# Allegro board SG2042_EVB_V1_1.brd (continued)
## Nets (continued)
N18761269: R1226.1 U1.G39
N18761282: R1227.1 U1.H35
N18761295: R1228.1 U1.E39
N18761308: R1229.1 U1.D38
N18761323: R1230.1 U1.E37
N18761336: R1231.1 U1.E40
N18761349: R1232.1 U1.C38
N18761362: R1233.1 U1.F37
N18761375: R1234.1 U1.H36
N18761388: R1235.1 U1.B39
N18761531: R1222.1 U1.H37
N18761567: R1223.1 U1.D39
N18866029: R2179.1 U812.9
N18866551: R2180.1 U813.9
N18867075: R2181.1 U10.9
N18867562: R2182.1 U811.9
N18869965: R2186.1 U28.6
N19544076: R2199.1 U2004.6
N19544184: R2200.1 U2005.6
N19598087: R2207.1 U807.15
N19598088: R2205.1 U807.17
N19598089: R2203.1 U807.20
N19598092: R2206.1 U807.16
N19598093: R2204.1 U807.18
N19598211: R2211.1 U806.20
N19598221: R2212.1 U806.18
N19598231: R2213.1 U806.17
N19598241: R2214.1 U806.16
N19598251: R2215.1 U806.15
N19598261: R2216.1 U806.14
N19598271: R2217.1 U806.13
N19598281: R2218.1 U806.12
N19598691: R2219.1 U14.20
N19598701: R2220.1 U14.18
N19598711: R2221.1 U14.17
N19598721: R2222.1 U14.16
N19598731: R2223.1 U14.15
N19598741: R2224.1 U14.14
N19598751: R2225.1 U14.13
N19598761: R2226.1 U14.12
N19598883: R2227.1 U12.20
N19598893: R2228.1 U12.18
N19598903: R2229.1 U12.17
N19598913: R2230.1 U12.16
N19598923: R2231.1 U12.15
N19598933: R2232.1 U12.14
N19598943: R2233.1 U12.13
N19598953: R2234.1 U12.12
N19656677: R2106.1 U2009.72
N19657847: R2238.1 U2009.66
N19657896: R2249.1 U2009.67
N19658008: R2060.2 U2009.1
N19658025: R2058.2 U2009.2
N19658042: R2059.2 U2009.3
N19658046: R2056.2 U2009.4
N19658132: R2068.1 U2009.65
N19658148: R2069.1 U2009.64
N19658164: R2070.1 U2009.63
N19658180: R2071.1 U2009.62
N19658288: R2073.1 U2009.61
N19658426: R2091.1 U2009.93
N19658442: R2092.1 U2009.92
N19659174: R2074.1 U2009.60
N19659190: R2075.1 U2009.59
N19659206: R2054.2 U2009.58
N19659257: R2097_NC.2 U2009.55
N19659496: R2250.1 U2009.76
N19659550: R2104.2 U2009.5
N19659625: R2076.1 U2009.71
N19659641: R2077.1 U2009.70
N19659658: R2057.2 U2009.69
N19659674: R2072.1 U2009.68
N19659756: R2235.2 U2009.54
N19659773: R2236.2 U2009.53
N19659891: R2078.1 U2009.52
N19659907: R2079.1 U2009.51
N19659975: R2251.1 U2009.77
N19660152: R2252.1 U2009.87
N19660154: R2253.1 U2009.86
N19684132: Q2003.3 R578.2 R581.1
N19684174: Q2002.1 R578.1
N19684220: Q2003.1 R2272.1
N19738408: R2299.2 U1.B21
N19740223: C3265.1 F408.2 FB2016.1
N19746790: C586.2 R173.2 U11.2
N19746810: C586.1 R189.2 U11.3
N19747341: R2304.2 U2009.48
N19747342: R2303.2 U2009.47
N19756638: R2323.1 U2009.85
N19756640: R2324.1 U2009.84
N19756678: R2325.1 U2009.83
N19756934: R2331.2 U2009.38
N19756936: R2332.2 U2009.39
N19756974: R2333.2 U2009.40
N19756976: R2334.2 U2009.41
N19757014: R2335.2 U2009.42
N19757016: R2336.2 U2009.43
N19757054: R2337.2 U2009.44
N19757056: R2338.2 U2009.45
N19813579: R2366.2 U811.1
N19813634: R2368.2 U10.1
N19911399: FB2017.2 FB2018.2 R2254.2 R2255.2 U2010.19(VCCB)
N19927520: R1214.2 U1.A21
N19927533: R1215.2 U1.B23
N19927546: R1216.2 U1.D24
N19927559: R1217.2 U1.A24
N19927572: R1218.2 U1.B24
N19927577: R1219.2 U1.B22
N20020535: R2305.2 U2009.46
N20196811: J1104.A1 R1183.1
N20196869: C1743.1 C1744.1 C1745.1 C1746.1 FB1110.2 J1104.A9 J1104.A10 J1104.B8
N20197901: FB1111.1 J1104.B10
N20206228: J2018.A1 R2394.1
N20206252: C3294.1 C3295.1 C3296.1 C3297.1 FB2019.2 J2018.A9 J2018.A10 J2018.B8
N20206630: FB2020.1 J2018.B10
N20209067: J2019.A1 R2398.1
N20209091: C3298.1 C3299.1 C3300.1 C3301.1 FB2021.2 J2019.A9 J2019.A10 J2019.B8
N20209469: FB2022.1 J2019.B10
N20251326: R274.1 U17.9
N20251336: R275.1 U17.10
N20340782: R2399.1 U2011.16
N20340795: R2209.1 U2011.15
N20340808: R2306.1 U2011.14
N20340896: R2426.1 U2011.20
N20340906: R2427.1 U2011.18
N20340916: R2428.1 U2011.17
N20344047: Q2005.3 R2430.1 R2432.2
N20344085: Q2004.1 R2432.1
N20344111: Q2005.1 R2433.1
N20380019: C3317.2 R2436.2 U2012.2
N20380039: C3317.1 R2437.2 U2012.3
N20380722: R2436.1 R2437.1
N20382229: R2439.1 U2012.8
N20382232: R2438.1 U2012.7
N20423655: Q403.1 R2441.2
N20449661: Q2009.1 R2443.2
N20451057: R2445.1 U2009.80
N20451254: Q2008.1 R2446.2
N20453905: LED500.C(CATHODE) Q2010.3
N20453966: Q2010.1 R2080.2
N20514721: R2449.2 R2450.1 U53.45
N20776883: C1284.1 R2460.2
N20778101: R2454.1 U54.32
N20778124: R2455.1 U55.32
N20778147: R2456.1 U34.32
N20778170: R2457.1 U35.32
N20778193: R2458.1 U39.32
N20778220: R2459.1 U40.32
N20778262: R2460.1 U36.32
N20778285: R2461.1 U42.32
N20778308: R2462.1 U41.32
N20778331: R2463.1 U38.32
N20778354: R2464.1 U44.32
N20778377: R2465.1 U43.32
N20782835: R2470.1 U805.25
N20782838: R2471.1 U805.26
N20782903: R2472.1 U15.25
N20782906: R2473.1 U15.26
N20783823: R2474.2 U2011.7
N20953565: R2480.1 U2013.9
N20953590: R2481.2 U2013.1
N20953751: R2488.1 U2014.9
N20953776: R2489.2 U2014.1
N20957708: R2490.1 U2009.56
N172017850: R450.1 U47.5(VOSNS)
N172172761: R272.2 Y2.2
N178115841: D520.C(CATHODE) Q501.3
N178115910: Q501.1 R580.1
N178704724: R660.1 U56.5(VOSNS)
N185890460: LED500.A R576.1
N199113838: R2247.1 U2010.15
N199113839: R2389.1 U2010.16
N1714183128: R68.2 U7.13
N1991138310: R2386.1 U2010.20
N1991138316: R2248.1 U2010.14
N1991138317: R2388.1 U2010.17
N1991138318: R2387.1 U2010.18

Pads without a net: ATXPWR1 14 20; ID1 1; ID2 1; ID3 1; ID4 1; ID5 1; ID6 1; J1 144 205 227 230 235; J2 144 205 227 230 235; J3 144 205 227 230 235; J4 144 205 227 230 235; J7 1 2 19 20 21 22 23 24; J10 2 17 19; J11 2 17 19; J12 2 17 19; J22 4; J1103 4; J1104 A5 A6 A7 A8 A19 A32 A33 A50 B9 B30 B82; J2006 4; J2016 1 18 19 20 21 22 26 27; J2018 A5 A6 A7 A8 A19 A32 A33 A50 A52 A53 A56 A57 A60 A61 A64 A65 A68 A69 A72 A73 A76 A77 A80 A81 B9 B30 B50 B51 B54 B55 B58 B59 B62 B63 B66 B67 B70 B71 B74 B75 B78 B79 B81 B82; J2019 A5 A6 A7 A8 A19 A32 A33 A50 A52 A53 A56 A57 A60 A61 A64 A65 A68 A69 A72 A73 A76 A77 A80 A81 B9 B30 B50 B51 B54 B55 B58 B59 B62 B63 B66 B67 B70 B71 B74 B75 B78 B79 B81 B82; NOREF#11 1; NOREF#16 1; NOREF#19 1; NOREF#21 1; NOREF#23 1; NOREF#25 1; NOREF#26 1; NOREF#27 1; U2 A1 A2 A7 A8 A9 A10 A11 A12 A13 A14 B1 B3 B4 B5 B6 B7 B8 B9 B10 B11 B12 B13 B14 C1 C3 C5 C7 C8 C9 C10 C11 C12 C13 C14 D1 D2 D3 D4 D12 D13 D14 E1 E2 E3 E5 E8 E9 E10 E12 E13 E14 F1 F2 F3 F10 F12 F13 F14 G1 G2 G3 G10 G12 G13 G14 H1 H2 H3 H12 H13 H14 J1 J2 J3 J12 J13 J14 K1 K2 K3 K6 K7 K10 K12 K13 K14 L1 L2 L3 L12 L13 L14 M1 M2 M3 M7 M8 M9 M10 M11 M12 M13 M14 N1 N3 N6 N7 N8 N9 N10 N11 N12 N13 N14 P1 P2 P7 P8 P9 P10 P11 P12 P13 P14; U7 35; U11 4 6; U15 1 2 10 11 12 13 14 15 16 17 18 19 20 21 22 23 24 27 28; U17 14 21 22 36; U34 6 31 41; U35 6 31 41; U36 6 31 41; U37 2 3 19 36 37; U38 6 31 41; U39 6 31 41; U40 6 31 41; U41 6 31 41; U42 6 31 41; U43 6 31 41; U44 6 31 41; U53 2 3 4 5 6 7 8 9 10 11 19 28 29 30 31 32 33 34 35 36 37; U54 6 31 41; U55 6 31 41; U805 1 2 10 11 12 13 14 15 16 17 18 19 20 21 22 23 24 27 28; U807 8 9 12 13; U2001 7; U2002 1 2 10 11 12 13 14 15 16 17 18 19 20 21 22 23 24 27 28; U2009 9 12 13 73 78 79 81 82 88 89 90 91 95 96 97 98; U2010 8 9 12 13; U2011 8 9 12 13; U2012 4 6

## Via types
v1: diameter 0.406, hole 0.203, TOP to BOTTOM, 11275 vias

## Routing (per net, layer and track width the routed paths; a pad name or vN(x,y) marks a point on that pad's centre or on a via; arc(x,y) is an arc through that point)
3.3V_AUX: length 221.7
  TOP w0.254: v1(82.59,217.12) 82.59,189.12 94.5,177.22 95.58,177.22 105.53,167.26 C3156.2 111.51,166.8 111.76,166.55 113.71,166.55 113.96,166.8 U815.3
  TOP w0.381: U50.3 v1(219.62,50.55) ; U62.3 224.22,100.32 C1572.2 224.82,100.33 v1(224.84,100.3) ; U57.3 v1(54.27,106.89) ; U24.3 138.29,42.86 138.43,42.72 C3331.2 v1(139.04,42.34) ; U59.3 52.77,46.7 52.91,46.56 C1555.2 v1(52.91,45.57) ; v1(158.12,33.27) C3333.2 158.72,32.84 158.86,32.7 U30.3 ; C1540.2 v1(52.4,105.89) ; T51.1 v1(104.22,217.14) ; C1738.1 v1(249.58,41.22) ; U4.3 133.29,46.34 C3327.2 v1(133.02,45.47) ; v1(145.86,46.17) v1(145.53,46.5) v1(145.2,46.83) ; v1(145.86,46.17) 145.91,46.12 U26.3 ; v1(145.86,46.17) 146.2,46.51 C1207.2 ; U2005.3 115.36,220.21 115.49,220.34 C3334.2 v1(116.48,220.34) ; C1576.2 52.92,100.75 U64.3 v1(54.54,100.75) ; v1(225.17,110.34) C1427.2 225.17,109.32 225.31,109.18 U48.3 ; v1(222.07,50.5) C1442.2 ; C3310.1 v1(290.22,41.22) ; v1(291.08,41.22) C3309.1 ; v1(73.05,226.92) C3231.2 73.66,226.52 73.8,226.38 U2004.3 ; C1737.1 v1(250.44,41.22) ; U45.3 121.42,37.91 C1416.2 v1(121.34,37.21)
  TOP w0.508: v1(222.07,50.5) 226.5,54.93 226.5,91.48 v1(226.39,91.59) ; FB2022.2 248.64,41.83 C1738.1 C1737.1 ; FB2020.2 289.28,41.83 C3310.1 C3309.1
  ART03 w0.254: v1(101.93,217.14) 93.01,217.14 92.43,217.73 83.2,217.73 v1(82.59,217.12)
  ART03 w0.381: v1(152.25,40.49) 151.89,40.13
  ART03 w0.508: v1(222.07,50.5) 222.02,50.55 v1(219.62,50.55)
  ART05 w0.102: 138.86,223.19 138.94,223.27 141.6,223.27
  PWR07 w0.508: v1(250.44,41.22) v1(249.58,41.22) 238.63,41.22 235.76,44.09 228.47,44.09 v1(222.07,50.5)
  ART10 w0.254: v1(103.12,224.26) 104.88,222.5 104.88,217.81 v1(104.22,217.14)
  BOTTOM w0.254: v1(103.12,224.26) C1676.1 R1145.2
  BOTTOM w0.381: U61.3 226.53,92.72 226.39,92.58 C1570.2 v1(226.39,91.59) ; v1(128.88,42.52) C3329.2 129.49,42.93 129.63,43.06 U6.3 ; C1444.2 137.44,47.05 137.58,47.19 U51.3 v1(137.58,48.32) ; U27.3 152.87,39.11 153.01,39.24 C3332.2 153.01,40.13 152.65,40.49 v1(152.25,40.49) C3330.2 151.45,40.29 U20.3 ; U63.3 49.21,94.24 49.35,94.11 C1574.2 v1(50.39,94.11) ; U3.3 134.3,47.08 v1(134.34,47.04) C3328.2
  vias: v1(15.72,110.67) v1(15.72,110.21) v1(15.72,109.75) v1(102.39,217.14) v1(102.84,217.14) v1(103.3,217.14) v1(103.76,217.14) v1(112.34,34.06) v1(112.95,34.67) v1(113.56,35.28) v1(114.17,35.89) v1(251.03,201.6) v1(251.49,201.6)
12V_DIMM: length 24.8
  TOP w0.254: C40.1 202.36,169.7 ; C40.1 202.82,169.24 ; C40.1 201.9,169.24 ; J1.1 204.36,170.13 ; J1.1 203.7,169.47 ; J1.1 205.02,169.47 ; 65.52,169.47 J3.1 ; J3.1 66.85,169.47 ; J3.1 66.18,170.13 ; 211.15,169.24 C20.1 ; C20.1 211.61,169.7 ; C20.1 212.07,169.24 ; J2.145 199.42,169.47 ; J2.145 198.1,169.47 ; J2.145 198.76,170.13 ; 78.72,169.47 J4.145 ; J4.145 80.04,169.47 ; J4.145 79.38,170.13 ; J2.1 194.96,170.13 ; J2.1 194.3,169.47 ; J2.1 195.62,169.47 ; 207.5,169.47 J1.145 ; J1.145 208.16,170.13 ; J1.145 208.82,169.47 ; J3.145 69.98,170.13 ; J3.145 70.65,169.47 ; J3.145 69.32,169.47 ; 63.88,174.42 C80.1 ; C80.1 64.34,173.96 ; C80.1 64.8,174.42 ; J4.1 75.58,170.13 ; J4.1 74.92,169.47 ; J4.1 76.24,169.47 ; C60.1 64.8,169.24 ; C60.1 63.88,169.24 ; C60.1 64.34,169.7 ; R457.2 218.77,67.54 ; 60.6,67.44 58.78,67.44
  ART05 w0.254: v1(56.95,174.83) 56.95,174.83
  vias: v1(56.39,174.83) v1(56.39,168.81) v1(56.95,175.39) v1(56.95,174.27) v1(56.95,169.37) v1(56.95,168.81) v1(56.95,168.25) v1(57.51,174.83) v1(57.51,168.81) v1(58.12,71.93) v1(58.12,71.07) v1(58.12,70.21) v1(58.98,71.93) v1(58.98,71.07) v1(58.98,70.21) v1(111.99,221.44) v1(111.99,220.98) v1(112.45,221.44) v1(112.45,220.98) v1(112.9,221.44) v1(112.9,220.98) v1(217.88,71.86) v1(217.88,70.99) v1(217.88,70.13) v1(218.74,71.86) v1(218.74,70.99) v1(218.74,70.13) v1(219.28,174.83) v1(219.28,168.81) v1(219.84,175.39) v1(219.84,174.83) v1(219.84,174.27) v1(219.84,169.37) v1(219.84,168.81) v1(219.84,168.25) v1(220.4,174.83) v1(220.4,168.81)
12V_F_R: length 13.8
  TOP w0.254: 169.75,12.79 C3264.1 ; C3264.1 170.22,13.26 ; C3264.1 169.28,13.26
  PWR07 w0.254: 161.95,5.32 J2017.2 ; J2017.2 161.95,7.37 ; J2017.2 162.98,6.35 ; J2017.2 160.92,6.35 ; 184.14,6.35 J2021.1 ; J2021.1 186.19,6.35 ; J2021.1 185.17,5.32 ; J2021.1 185.17,7.37 ; 174.83,5.32 J2008.2 ; J2008.2 174.83,7.37 ; J2008.2 175.86,6.35 ; J2008.2 173.8,6.35
+3.3V_ATX:
  vias: v1(33.38,110.21) v1(33.38,109.75) v1(33.38,109.3) v1(64.77,222.33) v1(64.77,221.87) v1(64.77,221.41) v1(65.23,222.33) v1(65.23,221.87) v1(65.23,221.41) v1(65.68,222.33) v1(65.68,221.87) v1(65.68,221.41) v1(233.53,36.5) v1(233.98,36.5) v1(234.44,36.5) v1(274.17,36.5) v1(274.62,36.5) v1(275.08,36.5)
+5V: length 84.3
  TOP w0.102: U2004.5 74.32,224.17 74.32,224.69 74.55,224.92 75.79,224.92 76.25,225.37 77.62,225.37 77.75,225.25 R2198.1
  TOP w0.254: R354.2 v1(154,24.59) ; R581.2 v1(151.79,6.35) R577.2 ; U816.1 141.24,224.32 C3162.1 ; U31.1 157.09,29.3 C1232.1 ; R1349.2 v1(144.93,228.42) ; 145.92,32.28 R674.2 148.13,29.16 v1(149.17,28.12)
  TOP w0.381: C1232.1 158.5,29.31 C1231.1 ; U2001.8 C2010.1 v1(279.04,219.2) ; C1561.1 139.04,32.03 U60.18
  ART03 w0.381: v1(248.11,222.43) 275.82,222.43 v1(279.04,219.2)
  BOTTOM w0.254: R341.2 v1(157.1,24.59) ; v1(154,24.59) 153.9,24.49 153.9,8.46 v1(151.79,6.35) ; C1218.1 154.01,29.3 U28.1 ; R334.2 v1(84.61,225.73) ; C1210.1 88.3,221.63 U25.1 ; R307.2 v1(149.17,28.12) ; C1168.1 145.48,32.22 U19.1
  BOTTOM w0.381: C1218.1 152.6,29.31 C1217.1 ; C1167.1 144.07,32.23 C1168.1
  vias: v1(77.01,217.22) v1(77.47,217.22) v1(77.93,217.22) v1(78.38,217.22) v1(78.84,217.22) v1(79.3,217.22) v1(88.29,223.09) v1(88.29,222.63) v1(88.75,223.09) v1(88.75,222.63) v1(118.14,229.18) v1(118.14,228.73) v1(118.59,229.18) v1(118.59,228.73) v1(119.05,229.18) v1(119.05,228.73) v1(140.79,225.58) v1(141.25,225.58) v1(142.62,32.96) v1(143.08,32.96) v1(143.54,32.96) v1(143.99,32.96) v1(144.45,32.96) v1(151.41,29.34) v1(151.41,28.88) v1(159.69,29.34) v1(159.69,28.88)
+5V_ATX: length 7.3
  TOP w0.102: R2198.2 77.75,225.76 77.62,225.63 76.15,225.63 75.69,225.17 74.44,225.17 73.92,224.65 73.92,224.17 U2004.4
+5V_SB: length 16.7
  TOP w0.381: R304.1 v1(118.85,223.47)
  BOTTOM w0.254: 105.66,223.22 118.59,223.22 v1(118.85,223.47) ; R1143.2 99.34,226.59 ; U808.1 102.43,221.63 102.44,221.62
+12V_ATX: length 9.1
  TOP w0.102: U2005.4 112.57,220.21 111.81,219.45 111.81,216.71 111.48,216.38 109.55,216.38 109.45,216.48 R2393.2
  vias: v1(30.05,125.25) v1(30.51,125.25) v1(30.96,125.25) v1(107.29,225.37) v1(107.29,224.92) v1(107.29,224.46) v1(107.75,225.37) v1(107.75,224.92) v1(107.75,224.46) v1(108.2,225.37) v1(108.2,224.92) v1(108.2,224.46) v1(108.66,225.37) v1(108.66,224.92) v1(108.66,224.46) v1(109.12,225.37) v1(109.12,224.92) v1(109.12,224.46) v1(109.58,225.37) v1(109.58,224.92) v1(109.58,224.46) v1(110.03,225.37) v1(110.03,224.92) v1(110.03,224.46) v1(285.75,22.23) v1(286.21,22.68) v1(286.21,22.23) v1(286.66,23.14) v1(286.66,22.68) v1(286.66,22.23) v1(287.12,23.6) v1(287.12,23.14) v1(287.12,22.68) v1(287.12,22.23) v1(287.58,23.6) v1(287.58,23.14) v1(287.58,22.68) v1(287.58,22.23) v1(288.04,23.6) v1(288.04,23.14) v1(288.04,22.68) v1(288.04,22.23)
GND: length 19836.4
  TOP w0.102: R631.2 v1(237.67,206.78) ; v1(56.11,192.86) 55.73,192.48 55.73,191.84 55.95,191.62 ; v1(83.19,208.1) 83.59,207.7 83.59,188.51 94.61,177.5 95.69,177.5 104.05,169.14 C3157.1 ; v1(235.33,219.48) 235.33,219.46 235.13,219.25 235.13,215.93 R639.2
  TOP w0.203: D1.2 v1(49.94,227.68) ; D43.2 v1(286.04,238.35) ; D17.2 v1(191,230.53) ; D16.2 v1(188.97,230.53) ; U53.22 232.16,204.67 ; 232.16,204.67 v1(231.76,204.67) U53.21 ; 232.16,204.67 v1(232.56,204.67) U53.23 ; D522.2 v1(274.94,238.35) ; D6.2 v1(53.3,227.68) ; D9.2 v1(224.99,230.53) ; D11.2 v1(227.02,230.53) ; v1(212.53,205.04) 213.03,205.04 U2.E7 ; D521.2 v1(275.63,237.34) ; D22.2 v1(150.9,230.53) ; D14.2 v1(184.91,230.53) ; D4.2 v1(45.6,227.68) ; U2.J5 v1(215.03,206.54) ; R12.2 v1(62.94,47.04) ; v1(214.03,209.54) U2.P6 U2.N5 U2.P4 v1(215.03,209.54) ; D12.2 v1(222.96,230.53) ; D25.2 v1(159.02,230.53) ; D15.2 v1(195.07,230.53) ; D21.2 v1(156.99,230.53) ; U2.G5 v1(214.03,205.54) ; D19.2 v1(197.1,230.53) ; v1(54.36,196.85) 54.36,196.65 54.56,196.45 U37.23 ; v1(54.36,196.85) 54.36,197.04 54.56,197.25 U37.21 ; v1(54.36,196.85) U37.22 ; D24.2 v1(148.86,230.53) ; D44.2 v1(284.5,238.35) ; U2.K8 v1(212.53,207.54) ; D3.2 v1(52.18,227.68) ; D23.2 v1(152.93,230.53) ; D5.2 v1(44.48,227.68) ; D523.2 v1(273.4,238.35) ; D18.2 v1(186.94,230.53) ; U2.C4 v1(214.53,204.04) ; D530.2 v1(262.3,238.35) ; D7.2 v1(46.72,227.68) ; D20.2 v1(146.83,230.53) ; D13.2 v1(233.12,230.53) ; D2.2 v1(51.06,227.68) ; U2.A6 214.03,202.17 ; D42.2 v1(286.73,237.34) ; D8.2 v1(229.05,230.53) ; D529.2 v1(263.84,238.35) ; D528.2 v1(264.53,237.34) ; D10.2 v1(235.15,230.53)
  TOP w0.254: 284.19,237.85 D44.2 284.5,237.49 ; 71.58,157.76 J3.158 ; J3.158 70.92,158.42 ; J3.158 71.58,159.08 ; J3.158 72.25,158.42 ; J3.11 66.18,161.63 ; J3.11 66.85,160.97 ; J3.11 66.18,160.31 ; J3.11 65.52,160.97 ; J3.6 68.45,165.22 ; J3.6 67.12,165.22 ; J3.6 67.78,165.88 ; J3.6 67.78,164.56 ; 80.32,53.02 J4.276 ; J4.276 80.98,52.36 ; J4.276 81.64,53.02 ; J4.276 80.98,53.68 ; 209.76,140.76 J1.178 ; J1.178 209.76,142.08 ; J1.178 209.1,141.42 ; J1.178 210.42,141.42 ; J1.20 206.62,153.32 ; J1.20 205.3,153.32 ; J1.20 205.96,152.66 ; J1.20 205.96,153.98 ; 71.58,52.36 J3.276 ; J3.276 71.58,53.68 ; J3.276 72.25,53.02 ; J3.276 70.92,53.02 ; R138.1 231.34,229.16 ; R138.1 v1(230.73,228.7) ; R138.1 231.34,228.24 ; 65.52,125.27 J3.53 ; J3.53 66.18,124.61 ; J3.53 66.85,125.27 ; J3.53 66.18,125.93 ; 204.36,75.31 J1.105 ; J1.105 205.02,75.97 ; J1.105 203.7,75.97 ; J1.105 204.36,76.63 ; R659.2 C1534.1 v1(53.21,112.39) ; R412.2 v1(146.74,203.61) ; v1(232,215.39) R638.2 C1497.2 ; C1309.2 R393.2 v1(64.62,197) ; TP14.1 v1(226.06,200.76) ; 199.7,56.42 J2.272 ; J2.272 200.36,55.76 ; J2.272 201.02,56.42 ; J2.272 200.36,57.08 ; J4.169 80.04,149.07 ; J4.169 79.38,149.73 ; J4.169 79.38,148.41 ; 58.96,80.26 v1(58.96,80.61) 58.86,80.72 U55.9 ; 58.96,80.26 v1(58.96,79.92) 58.86,79.82 U55.7 ; 58.96,80.26 58.96,80.27 U55.8 ; J2.169 199.42,149.07 ; J2.169 198.76,148.41 ; J2.169 198.1,149.07 ; Q2008.2 v1(243.52,191.74) ; U2006.11 291.43,168.58 ; U2006.11 290.4,168.19 ; U2006.11 v1(289.21,168.58) ; 269.88,151.79 C3145.1 269.88,150.88 ; J4.55 76.24,123.57 ; J4.55 75.58,124.23 ; J4.55 74.92,123.57 ; J4.55 75.58,122.91 ; R480.2 v1(63.75,195.3) ; 71.58,74.46 J3.250 ; J3.250 70.92,75.12 ; J3.250 71.58,75.78 ; J3.250 72.25,75.12 ; 104.54,196.32 v1(104.54,196.66) 104.64,196.77 U41.7 ; 104.54,196.32 v1(104.54,195.97) 104.64,195.87 U41.9 ; 104.54,196.32 104.54,196.32 U41.8 ; 225.44,230.18 D9.2 225.44,230.88 ; 199.7,53.02 J2.276 ; J2.276 200.36,52.36 ; J2.276 200.36,53.68 ; J2.276 201.02,53.02 ; J3.24 67.78,150.58 ; J3.24 67.78,149.26 ; J3.24 67.12,149.92 ; J3.24 68.45,149.92 ; 55.91,39.32 C3150.2 55.91,40.23 ; 285.04,175.03 C3280.1 285.04,175.95 ; R2117.1 v1(141.27,14.91) ; R2117.1 140.67,14.45 ; R2117.1 140.67,15.37 ; J3.96 67.78,84.28 ; J3.96 68.45,83.62 ; J3.96 67.78,82.96 ; J3.96 67.12,83.62 ; 66.18,77.01 J3.103 ; J3.103 65.52,77.67 ; J3.103 66.18,78.33 ; J3.103 66.85,77.67 ; J3.123 66.85,60.67 ; J3.123 66.18,61.33 ; J3.123 65.52,60.67 ; J3.123 66.18,60.01 ; J3.151 69.98,165.03 ; J3.151 70.65,164.37 ; J3.151 69.32,164.37 ; J3.151 69.98,163.71 ; 63.88,38.02 C61.2 64.34,37.57 ; U17.31 138.14,17.16 v1(139.37,18.39) v1(140.39,19.41) ; U17.31 138.14,16 ; U17.31 137.81,16.51 ; R2118.1 138.13,15.37 ; R2118.1 v1(137.52,14.91) ; R2118.1 138.13,14.45 ; v1(144.17,202.51) C1342.2 ; R119.1 v1(32,162.33) ; R119.1 31.39,162.79 ; R119.1 31.39,161.87 ; 45.09,220.85 U5.B1 v1(44.6,221.26) ; 223.41,230.18 D12.2 223.41,230.88 ; R2398.2 v1(233.35,30.58) ; R2398.2 232.89,29.97 ; R2398.2 233.35,29.51 ; J1.44 206.62,132.92 ; J1.44 205.3,132.92 ; J1.44 205.96,132.26 ; J1.44 205.96,133.58 ; U35.21 171.32,196.21 ; 208.16,145.01 J1.173 ; J1.173 208.16,146.33 ; J1.173 207.5,145.67 ; J1.173 208.82,145.67 ; v1(144.17,197.08) C1314.2 144.52,197.69 144.77,197.94 v1(144.77,198.26) 144.8,198.29 U39.5 146.35,198.29 v1(146.55,198.48) v1(147.16,199.09) 146.61,199.64 U39.2 144.8,199.64 v1(144.77,199.66) 144.77,199.95 144.52,200.2 C1311.2 ; R437.2 v1(106.5,203.61) ; 291.43,183.82 U2003.11 290.4,183.43 ; J3.200 72.25,122.72 ; J3.200 70.92,122.72 ; J3.200 71.58,123.38 ; U41.24 110.97,197.56 ; J1.13 204.36,159.93 ; J1.13 205.02,159.27 ; J1.13 204.36,158.61 ; J1.13 203.7,159.27 ; 207.5,81.07 J1.243 ; J1.243 208.16,81.73 ; J1.243 208.82,81.07 ; J1.243 208.16,80.41 ; J4.274 80.98,55.38 ; J4.274 80.98,54.06 ; J4.274 80.32,54.72 ; J4.274 81.64,54.72 ; 204.36,54.91 J1.129 ; J1.129 203.7,55.57 ; J1.129 204.36,56.23 ; J1.129 205.02,55.57 ; C605.2 v1(278.49,231.75) ; J3.31 66.18,144.63 ; J3.31 66.85,143.97 ; J3.31 65.52,143.97 ; J3.31 66.18,143.31 ; 205.3,66.62 J1.116 ; J1.116 205.96,65.96 ; J1.116 206.62,66.62 ; J1.116 205.96,67.28 ; R2116.1 138.63,24.36 ; R2116.1 v1(138.02,23.9) ; R2116.1 138.63,23.44 ; 66.18,156.91 J3.15 ; J3.15 65.52,157.57 ; J3.15 66.85,157.57 ; J3.15 66.18,158.23 ; J4.283 79.38,47.73 ; J4.283 80.04,47.07 ; J4.283 79.38,46.41 ; J4.283 78.72,47.07 ; J3.50 67.78,128.48 ; J3.50 67.78,127.16 ; J3.50 67.12,127.82 ; J3.50 68.45,127.82 ; U55.22 52.53,79.92 ; 69.98,63.41 J3.263 ; J3.263 69.98,64.73 ; J3.263 70.65,64.07 ; J3.263 69.32,64.07 ; 71.58,154.36 J3.162 ; J3.162 72.25,155.02 ; J3.162 71.58,155.68 ; J3.162 70.92,155.02 ; J3.109 66.18,73.23 ; J3.109 66.18,71.91 ; J3.109 65.52,72.57 ; J3.109 66.85,72.57 ; Q403.2 v1(245.86,192.7) ; J3.22 68.45,151.62 ; J3.22 67.78,150.96 ; J3.22 67.78,152.28 ; J3.22 67.12,151.62 ; J1.17 205.02,155.87 ; J1.17 204.36,155.21 ; J1.17 203.7,155.87 ; J1.17 204.36,156.53 ; 147.29,230.18 D20.2 147.29,230.88 ; R2115.1 141.17,24.36 ; R2115.1 v1(141.78,23.9) ; R2115.1 141.17,23.44 ; J4.265 79.38,63.03 ; J4.265 79.38,61.71 ; J4.265 80.04,62.37 ; J4.265 78.72,62.37 ; J2.180 201.02,139.72 ; J2.180 199.7,139.72 ; J2.180 200.36,139.06 ; J2.180 200.36,140.38 ; J1.189 208.16,132.73 ; J1.189 207.5,132.07 ; J1.189 208.16,131.41 ; J1.189 208.82,132.07 ; v1(64.62,202.92) R371.2 C1254.2 v1(62.53,202.92) ; C3159.2 v1(138.71,34.59) ; J2.39 194.96,137.83 ; J2.39 195.62,137.17 ; J2.39 194.96,136.51 ; J3.171 69.98,148.03 ; J3.171 69.32,147.37 ; J3.171 70.65,147.37 ; J3.171 69.98,146.71 ; 200.36,57.46 J2.270 ; J2.270 201.02,58.12 ; J2.270 200.36,58.78 ; J2.270 199.7,58.12 ; J3.39 66.18,137.83 ; J3.39 66.18,136.51 ; J3.39 65.52,137.17 ; J3.39 66.85,137.17 ; 208.16,82.11 J1.241 ; J1.241 208.16,83.43 ; J1.241 207.5,82.77 ; J1.241 208.82,82.77 ; J1.123 204.36,61.33 ; J1.123 205.02,60.67 ; J1.123 203.7,60.67 ; J1.123 204.36,60.01 ; 189.43,230.88 D16.2 189.43,230.18 ; U15.3 v1(284.32,235.03) ; J1.191 208.82,130.37 ; J1.191 207.5,130.37 ; J1.191 208.16,131.03 ; J1.191 208.16,129.71 ; J1.31 205.02,143.97 ; J1.31 203.7,143.97 ; J1.31 204.36,143.31 ; J1.31 204.36,144.63 ; 66.18,155.21 J3.17 ; J3.17 66.85,155.87 ; J3.17 65.52,155.87 ; J3.17 66.18,156.53 ; U814.11 v1(205.66,215.51) ; U814.11 207.87,215.51 ; U814.11 206.84,215.13 ; J4.39 75.58,137.83 ; J4.39 75.58,136.51 ; J4.39 74.92,137.17 ; J4.39 76.24,137.17 ; J3.279 69.98,51.13 ; J3.279 70.65,50.47 ; J3.279 69.98,49.81 ; J3.279 69.32,50.47 ; 195.9,51.32 J2.134 ; J2.134 197.22,51.32 ; J2.134 196.56,51.98 ; J2.134 196.56,50.66 ; 77.84,153.32 J4.20 76.52,153.32 ; 208.16,126.31 J1.195 ; J1.195 207.5,126.97 ; J1.195 208.16,127.63 ; J1.195 208.82,126.97 ; J4.31 75.58,144.63 ; J4.31 75.58,143.31 ; J4.31 76.24,143.97 ; J4.31 74.92,143.97 ; U43.22 122.45,19.87 ; U38.9 124.76,195.87 v1(124.66,195.97) 124.66,196.32 ; U44.9 94.59,195.87 v1(94.48,195.97) 94.48,196.32 ; J1.165 208.82,152.47 ; J1.165 207.5,152.47 ; J1.165 208.16,151.81 ; J1.165 208.16,153.13 ; U55.24 52.53,79.02 ; J1.120 205.96,63.88 ; J1.120 206.62,63.22 ; J1.120 205.3,63.22 ; J1.120 205.96,62.56 ; J1.114 205.96,68.98 ; J1.114 205.3,68.32 ; J1.114 206.62,68.32 ; J1.114 205.96,67.66 ; 67.78,65.96 J3.116 ; J3.116 67.12,66.62 ; J3.116 67.78,67.28 ; J3.116 68.45,66.62 ; C1230.1 v1(160.3,26.26) ; C1230.1 159.84,26.87 ; C1230.1 160.76,26.87 ; J1.268 210.42,59.82 ; J1.268 209.1,59.82 ; J1.268 209.76,60.48 ; J1.268 209.76,59.16 ; 269.88,143.05 C3146.1 269.88,143.97 ; 74.92,79.37 J4.101 75.58,78.71 ; 207.5,150.77 J1.167 ; J1.167 208.82,150.77 ; J1.167 208.16,151.43 ; J1.167 208.16,150.11 ; 194.96,138.21 J2.37 ; J2.37 194.96,139.53 ; J2.37 195.62,138.87 ; 233.93,48.67 R292.2 ; R292.2 v1(235,48.67) ; R292.2 234.39,49.13 ; 74.92,60.67 J4.123 ; J4.123 76.24,60.67 ; J4.123 75.58,60.01 ; J4.123 75.58,61.33 ; C47.2 v1(63.58,120.98) ; v1(140.39,19.41) v1(141.4,18.39) 141.64,18.16 ; v1(140.39,19.41) v1(139.37,20.42) 138.64,21.16 ; v1(140.39,19.41) v1(141.4,20.42) 141.64,20.66 ; 47.02,227.18 D7.2 46.72,226.82 ; 198.1,167.77 J2.147 ; J2.147 198.76,168.43 ; J2.147 199.42,167.77 ; 207.5,164.37 J1.151 ; J1.151 208.16,165.03 ; J1.151 208.82,164.37 ; J1.151 208.16,163.71 ; 285.9,208.43 C3278.1 285.9,209.35 ; C1418.1 121.69,40.82 ; C1418.1 121.69,39.9 ; C1418.1 v1(121.08,40.36) ; 201.02,71.72 J2.254 200.36,72.38 ; J2.129 194.96,56.23 ; J2.129 194.96,54.91 ; J2.129 194.3,55.57 ; J2.129 195.62,55.57 ; v1(129.49,19.46) C1385.2 129.14,18.85 128.89,18.59 128.89,18.28 128.86,18.25 U43.5 127.31,18.25 v1(127.14,18.08) v1(126.5,17.44) 127.05,16.9 U43.2 128.86,16.9 v1(128.89,16.87) 128.89,16.59 129.14,16.33 C1394.2 ; J3.105 66.85,75.97 ; J3.105 66.18,76.63 ; J3.105 66.18,75.31 ; J3.105 65.52,75.97 ; 22.43,195.48 C564.2 22.89,195.94 ; 80.98,140.76 J4.178 ; J4.178 80.98,142.08 ; J4.178 80.32,141.42 ; J1.270 209.76,58.78 ; J1.270 209.1,58.12 ; J1.270 210.42,58.12 ; J1.270 209.76,57.46 ; J2.250 201.02,75.12 ; J2.250 200.36,74.46 ; J2.250 200.36,75.78 ; J2.250 199.7,75.12 ; C3266.2 6.91,199.39 ; C3266.2 6.91,198.48 ; C3266.2 v1(7.52,198.93) ; U60.5 142.61,30.08 v1(142.65,30.05) 142.65,29.34 C1569.2 R677.1 ; v1(155.55,25.81) 155.73,25.63 R2189.1 155.73,24.77 v1(155.55,24.59) ; J4.118 77.84,64.92 ; J4.118 77.18,64.26 ; J4.118 77.18,65.58 ; J4.118 76.52,64.92 ; J1.265 208.82,62.37 ; J1.265 208.16,61.71 ; J1.265 208.16,63.03 ; J1.265 207.5,62.37 ; J2.123 195.62,60.67 ; J2.123 194.96,60.01 ; J2.123 194.3,60.67 ; J2.123 194.96,61.33 ; 69.98,131.41 J3.189 ; J3.189 70.65,132.07 ; J3.189 69.32,132.07 ; J3.189 69.98,132.73 ; U17.38 141.64,18.16 ; 141.64,18.16 142.64,17.16 U17.40 ; R122.1 v1(32,166.14) ; R122.1 31.39,165.68 ; R122.1 31.39,166.6 ; 69.32,81.07 J3.243 ; J3.243 69.98,81.73 ; J3.243 69.98,80.41 ; J3.243 70.65,81.07 ; 74.92,55.57 J4.129 ; J4.129 76.24,55.57 ; J4.129 75.58,56.23 ; J4.129 75.58,54.91 ; 208.16,83.81 J1.239 ; J1.239 207.5,84.47 ; J1.239 208.82,84.47 ; 69.32,145.67 J3.173 ; J3.173 69.98,145.01 ; J3.173 69.98,146.33 ; J3.173 70.65,145.67 ; 235.46,216.05 R639.2 235.92,215.6 ; 226.52,145.11 C3274.1 226.52,144.2 ; U38.8 124.66,196.32 124.66,196.32 ; 274.57,46.12 R295.2 ; R295.2 275.03,45.67 ; R295.2 v1(275.64,46.12) ; C3322.1 239.22,189.76 ; C3322.1 239.22,188.85 ; C3322.1 v1(239.83,189.31) ; 55.17,60.83 v1(55.17,60.22) ; 290.83,208.43 C3284.1 290.83,209.35 ; 209.1,156.72 J1.160 ; J1.160 209.76,157.38 ; J1.160 210.42,156.72 ; J1.160 209.76,156.06 ; C1201.1 v1(135.28,47.65) ; C1201.1 134.82,47.04 ; C1201.1 135.74,47.04 ; J3.13 66.85,159.27 ; J3.13 66.18,159.93 ; J3.13 66.18,158.61 ; J3.13 65.52,159.27 ; 209.76,123.38 J1.200 209.1,122.72 ; 138.64,21.16 U17.19 ; 138.64,21.16 v1(138.35,21.44) 138.14,21.66 U17.20 v1(138.14,22.96) ; J4.136 77.84,49.62 ; J4.136 77.18,50.28 ; J4.136 76.52,49.62 ; J4.136 77.18,48.96 ; 195.9,63.22 J2.120 ; J2.120 196.56,62.56 ; J2.120 197.22,63.22 ; J2.120 196.56,63.88 ; R1352.1 v1(142.6,227.81) ; J2.191 199.42,130.37 ; J2.191 198.76,131.03 ; J2.191 198.1,130.37 ; 78.72,132.07 J4.189 ; J4.189 80.04,132.07 ; J4.189 79.38,131.41 ; J4.189 79.38,132.73 ; R30.1 257.58,157.38 ; R30.1 257.58,156.46 ; R30.1 v1(256.97,156.92) ; 201.47,221.97 C3290.2 201.47,222.89 ; 203.7,138.87 J1.37 ; J1.37 204.36,139.53 ; J1.37 204.36,138.21 ; J1.37 205.02,138.87 ; 290.78,157.68 C3285.1 290.78,156.77 ; J2.35 194.96,141.23 ; J2.35 195.62,140.57 ; J2.35 194.96,139.91 ; 67.78,81.26 J3.98 ; J3.98 67.78,82.58 ; J3.98 67.12,81.92 ; J3.98 68.45,81.92 ; 78.72,130.37 J4.191 79.38,131.03 ; J3.154 71.58,162.48 ; J3.154 71.58,161.16 ; J3.154 72.25,161.82 ; J3.154 70.92,161.82 ; J1.147 208.82,167.77 ; J1.147 207.5,167.77 ; J1.147 208.16,167.11 ; U54.23 217.07,78.86 ; J4.263 80.04,64.07 ; J4.263 79.38,64.73 ; J4.263 79.38,63.41 ; J4.263 78.72,64.07 ; C1211.1 v1(150.22,43.59) ; 191.46,230.18 D17.2 191.46,230.88 ; 205.3,64.92 J1.118 ; J1.118 205.96,65.58 ; J1.118 205.96,64.26 ; J1.118 206.62,64.92 ; 220.4,115.32 C3152.2 220.4,116.23 ; 6.91,214.3 C3267.2 ; C3267.2 6.91,215.21 ; C3267.2 v1(7.52,214.76) ; 78.72,65.77 J4.261 ; J4.261 80.04,65.77 ; J4.261 79.38,65.11 ; J2.26 197.22,148.22 ; J2.26 196.56,148.88 ; J2.26 196.56,147.56 ; 71.58,156.06 J3.160 ; J3.160 70.92,156.72 ; J3.160 72.25,156.72 ; J3.160 71.58,157.38 ; 195.9,132.92 J2.44 ; J2.44 196.56,132.26 ; J2.44 197.22,132.92 ; J2.44 196.56,133.58 ; v1(133.81,18.62) R291.2 v1(132.59,18.62) ; J1.131 204.36,54.53 ; J1.131 203.7,53.87 ; J1.131 205.02,53.87 ; J1.131 204.36,53.21 ; 227.48,230.18 D11.2 227.48,230.88 ; 71.58,77.86 J3.246 ; J3.246 70.92,78.52 ; J3.246 72.25,78.52 ; J3.246 71.58,79.18 ; J1.254 209.76,72.38 ; J1.254 209.1,71.72 ; J1.254 209.76,71.06 ; J1.254 210.42,71.72 ; R29.1 257.58,158.65 ; R29.1 257.58,157.73 ; R29.1 v1(256.97,158.19) ; 74.92,157.57 J4.15 ; J4.15 76.24,157.57 ; J4.15 75.58,158.23 ; J4.15 75.58,156.91 ; R414.2 v1(126.62,203.61) ; U42.23 121.03,197.11 ; 207.5,64.07 J1.263 ; J1.263 208.82,64.07 ; J1.263 208.16,63.41 ; J1.263 208.16,64.73 ; 290.83,224.59 C3283.1 290.83,223.67 ; R496.2 C3326.2 v1(64.34,162.66) ; 272.69,219.53 C2000.2 ; C2000.2 272.69,220.45 ; C2000.2 v1(272.08,219.99) ; 66.18,56.61 J3.127 ; J3.127 66.85,57.27 ; J3.127 65.52,57.27 ; J3.127 66.18,57.93 ; J1.134 205.96,51.98 ; J1.134 205.96,50.66 ; J1.134 205.3,51.32 ; J1.134 206.62,51.32 ; R2450.2 v1(228.6,214.53) ; 211.76,37.57 C4.2 212.22,38.02 ; J3.281 70.65,48.77 ; J3.281 69.32,48.77 ; J3.281 69.98,49.43 ; 70.92,58.12 J3.270 ; J3.270 72.25,58.12 ; J3.270 71.58,57.46 ; J3.270 71.58,58.78 ; J2.189 199.42,132.07 ; J2.189 198.76,132.73 ; J2.189 198.76,131.41 ; J2.189 198.1,132.07 ; 196.56,64.26 J2.118 ; J2.118 195.9,64.92 ; J2.118 197.22,64.92 ; J2.118 196.56,65.58 ; R395.2 v1(127.03,41.91) ; 132.74,15.16 R289.2 ; R289.2 v1(133.81,15.16) ; R289.2 133.2,14.71 ; 223.5,79.65 v1(223.5,80) 223.4,80.11 U54.9 ; 223.5,79.65 223.5,79.66 U54.8 ; 223.5,79.65 v1(223.5,79.31) 223.4,79.21 U54.7 ; U39.9 144.88,195.87 v1(144.78,195.97) 144.78,196.32 ; J3.131 66.85,53.87 ; J3.131 66.18,54.53 ; J3.131 66.18,53.21 ; J3.131 65.52,53.87 ; R2394.2 v1(273.99,30.58) ; R2394.2 273.53,29.97 ; R2394.2 273.99,29.51 ; U58.5 59.68,64.13 v1(59.72,64.16) 60.43,64.16 C1554.2 60.6,64.9 ; 198.76,61.71 J2.265 ; J2.265 198.76,63.03 ; J2.265 198.1,62.37 ; J2.265 199.42,62.37 ; 199.7,124.42 J2.198 ; J2.198 200.36,123.76 ; J2.198 200.36,125.08 ; J2.198 201.02,124.42 ; U807.11 v1(290.03,135.07) ; U807.11 292.24,135.07 ; U807.11 291.22,134.69 ; J1.158 209.76,159.08 ; J1.158 209.1,158.42 ; J1.158 209.76,157.76 ; J1.158 210.42,158.42 ; 76.52,81.92 J4.98 ; J4.98 77.18,81.26 ; J4.98 77.84,81.92 ; U36.20 161.27,195.76 ; 69.32,62.37 J3.265 ; J3.265 69.98,63.03 ; J3.265 69.98,61.71 ; J3.265 70.65,62.37 ; 176.07,177.8 R373.2 ; R373.2 176.99,177.8 ; R373.2 176.53,177.34 ; 69.98,150.11 J3.167 ; J3.167 70.65,150.77 ; J3.167 69.98,151.43 ; J3.167 69.32,150.77 ; 215.62,191.69 R2181.2 215.62,190.78 ; J1.171 208.16,148.03 ; J1.171 208.16,146.71 ; J1.171 208.82,147.37 ; J1.171 207.5,147.37 ; J3.178 71.58,142.08 ; J3.178 70.92,141.42 ; J3.178 71.58,140.76 ; J3.178 72.25,141.42 ; 74.92,159.27 J4.13 ; J4.13 75.58,158.61 ; J4.13 76.24,159.27 ; J4.13 75.58,159.93 ; 69.98,65.11 J3.261 ; J3.261 69.98,66.43 ; J3.261 70.65,65.77 ; J3.261 69.32,65.77 ; C3143.2 v1(150.19,157.76) ; 80.32,138.02 J4.182 ; J4.182 80.98,137.36 ; J4.182 80.98,138.68 ; R74.1 R76.1 ; R76.1 R78.1 R80.1 ; R76.1 v1(24.94,189.2) ; 74.92,162.67 J4.9 75.58,162.01 ; R2417.2 v1(17.12,104.4) R2415.2 ; 197.31,168.55 196.63,168.55 J2.2 ; 198.76,49.81 J2.279 ; J2.279 198.1,50.47 ; J2.279 198.76,51.13 ; J2.279 199.42,50.47 ; J4.17 75.58,156.53 ; J4.17 76.24,155.87 ; J4.17 74.92,155.87 ; J4.17 75.58,155.21 ; 204.36,56.61 J1.127 ; J1.127 204.36,57.93 ; J1.127 203.7,57.27 ; J1.127 205.02,57.27 ; 209.1,161.82 J1.154 ; J1.154 209.76,162.48 ; J1.154 210.42,161.82 ; J1.154 209.76,161.16 ; 67.78,147.56 J3.26 ; J3.26 68.45,148.22 ; J3.26 67.78,148.88 ; J3.26 67.12,148.22 ; 234.39,45.67 R293.2 ; R293.2 v1(235,46.12) ; R293.2 233.93,46.12 ; v1(64.62,199.52) R482.2 C1446.2 ; U36.9 154.94,195.87 v1(154.83,195.97) 154.83,196.32 ; 257.12,121.89 R126.1 ; R126.1 R127.1 R128.1 R129.1 R130.1 R131.1 v1(257.58,114.94) ; R126.1 257.58,122.35 ; J3.259 70.65,67.47 ; J3.259 69.98,68.13 ; J3.259 69.98,66.81 ; J3.259 69.32,67.47 ; 198.76,65.11 J2.261 ; J2.261 199.42,65.77 ; J2.261 198.1,65.77 ; 261.57,153.72 R2179.2 261.57,152.81 ; 209.1,75.12 J1.250 ; J1.250 209.76,75.78 ; J1.250 209.76,74.46 ; J1.250 210.42,75.12 ; J1.26 205.96,148.88 ; J1.26 205.3,148.22 ; J1.26 206.62,148.22 ; J1.26 205.96,147.56 ; v1(223.16,112.01) 223.03,111.88 U47.4 ; J1.184 210.42,136.32 ; J1.184 209.1,136.32 ; J1.184 209.76,136.98 ; J1.184 209.76,135.66 ; 199.7,160.12 J2.156 ; J2.156 200.36,160.78 ; J2.156 201.02,160.12 ; J2.156 200.36,159.46 ; 31.39,166.95 R123.1 ; R123.1 31.39,167.87 ; R123.1 v1(32,167.41) ; 94.48,196.32 v1(94.48,196.66) 94.59,196.77 U44.7 ; 94.48,196.32 94.49,196.32 U44.8 ; U815.1 112.66,167.9 ; 69.98,165.41 J3.149 ; J3.149 69.98,166.73 ; J3.149 70.65,166.07 ; J3.149 69.32,166.07 ; 170.21,14.07 C3264.2 169.29,14.07 ; Q2009.2 v1(265.39,176.83) ; 75.58,141.61 J4.33 ; J4.33 75.58,142.93 ; J4.33 74.92,142.27 ; J4.33 76.24,142.27 ; J1.39 205.02,137.17 ; J1.39 204.36,137.83 ; J1.39 204.36,136.51 ; J1.39 203.7,137.17 ; 200.36,76.16 J2.248 ; J2.248 200.36,77.48 ; J2.248 201.02,76.82 ; J2.248 199.7,76.82 ; J2.167 199.58,150.77 ; U34.7 175.05,196.77 v1(174.95,196.66) 174.95,196.32 ; 77.18,47.26 J4.138 ; J4.138 77.84,47.92 ; J4.138 77.18,48.58 ; J4.138 76.52,47.92 ; U60.1 140.61,30.3 v1(140.36,30.05) ; U34.21 181.38,196.21 ; R439.2 v1(126.92,12.93) ; v1(26.67,189.2) R80.1 ; R80.1 R82.1 R72.1 v1(28.4,189.2) ; J2.138 196.56,48.58 ; J2.138 197.22,47.92 ; J2.138 195.9,47.92 ; 230.91,191.69 R2480.2 230.91,190.78 ; 121.56,14.48 C1365.2 120.95,15.06 ; 199.7,54.72 J2.274 ; J2.274 201.02,54.72 ; J2.274 200.36,54.06 ; J2.274 200.36,55.38 ; 282.09,236.35 v1(282.09,236.96) ; J3.44 68.45,132.92 ; J3.44 67.12,132.92 ; J3.44 67.78,132.26 ; J3.44 67.78,133.58 ; J2.46 196.56,131.88 ; J2.46 195.9,131.22 ; J2.46 197.22,131.22 ; R167.1 R168.1 R169.1 R170.1 R171.1 R179.1 v1(257.58,102.72) ; R167.1 257.12,109.68 ; R167.1 257.58,110.13 ; 80.32,58.12 J4.270 ; J4.270 80.98,57.46 ; J4.270 80.98,58.78 ; J4.270 81.64,58.12 ; J3.193 69.98,129.33 ; J3.193 69.98,128.01 ; J3.193 69.32,128.67 ; J3.193 70.65,128.67 ; 141.64,20.66 142.64,21.66 U17.11 ; 141.64,20.66 U17.13 ; 174.95,196.32 174.95,196.32 U34.8 ; 174.95,196.32 v1(174.95,195.97) 175.05,195.87 U34.9 ; U55.23 52.53,79.47 ; R324.2 v1(251.18,234.42) ; R324.2 251.64,235.03 ; R324.2 250.72,235.03 ; J3.191 69.98,131.03 ; J3.191 70.65,130.37 ; J3.191 69.32,130.37 ; J3.191 69.98,129.71 ; 196.56,145.86 J2.28 ; J2.28 195.9,146.52 ; J2.28 196.56,147.18 ; J2.28 197.22,146.52 ; 77.18,62.56 J4.120 ; J4.120 77.18,63.88 ; J4.120 76.52,63.22 ; J4.120 77.84,63.22 ; 74.92,74.27 J4.107 ; J4.107 75.58,73.61 ; J4.107 75.58,74.93 ; J4.107 76.24,74.27 ; v1(219.48,61.98) 219.23,62.23 U49.1 ; 195.9,134.62 J2.42 ; J2.42 196.56,133.96 ; J2.42 197.22,134.62 ; J2.42 196.56,135.28 ; U41.20 110.97,195.76 ; 209.76,52.36 J1.276 ; J1.276 209.1,53.02 ; J1.276 209.76,53.68 ; J1.276 210.42,53.02 ; J1.182 209.76,138.68 ; J1.182 210.42,138.02 ; J1.182 209.1,138.02 ; J1.182 209.76,137.36 ; 197.55,230.88 D19.2 197.55,230.18 ; v1(124.05,197.08) C1319.2 124.4,197.69 124.65,197.94 v1(124.65,198.26) 124.68,198.29 U38.5 126.23,198.29 v1(126.43,198.48) v1(127.04,199.09) 126.49,199.64 U38.2 124.68,199.64 v1(124.65,199.66) 124.65,199.95 124.4,200.2 C1328.2 ; J2.165 199.42,152.47 ; J2.165 198.1,152.47 ; J2.165 198.76,153.13 ; J3.182 71.58,138.68 ; J3.182 72.25,138.02 ; J3.182 71.58,137.36 ; J3.182 70.92,138.02 ; 67.78,69.36 J3.112 ; J3.112 67.78,70.68 ; J3.112 67.12,70.02 ; J3.112 68.45,70.02 ; 79.38,133.11 J4.187 ; J4.187 78.72,133.77 ; J4.187 79.38,134.43 ; J4.187 80.04,133.77 ; J3.165 69.98,153.13 ; J3.165 70.65,152.47 ; J3.165 69.32,152.47 ; J3.165 69.98,151.81 ; R89.2 v1(34.42,200.66) ; 70.92,71.72 J3.254 ; J3.254 71.58,72.38 ; J3.254 72.25,71.72 ; J3.254 71.58,71.06 ; 134.72,196.32 v1(134.72,196.66) 134.82,196.77 U40.7 ; 134.72,196.32 v1(134.72,195.97) 